# Altium PCB cyber60-smk.PcbDoc (part 2 of 4)
Units mm, origin at the board's own origin, x right, y up, seen from the top; angles counter-clockwise.
Board outline 284.73 x 94.2 mm, 2 copper layers (Component Side, Bottom Layer), stack 1.571 mm thick; 239 components, 148 nets, 988 pads, 591 vias.
Unrouted connection lines stored in the file: 6.
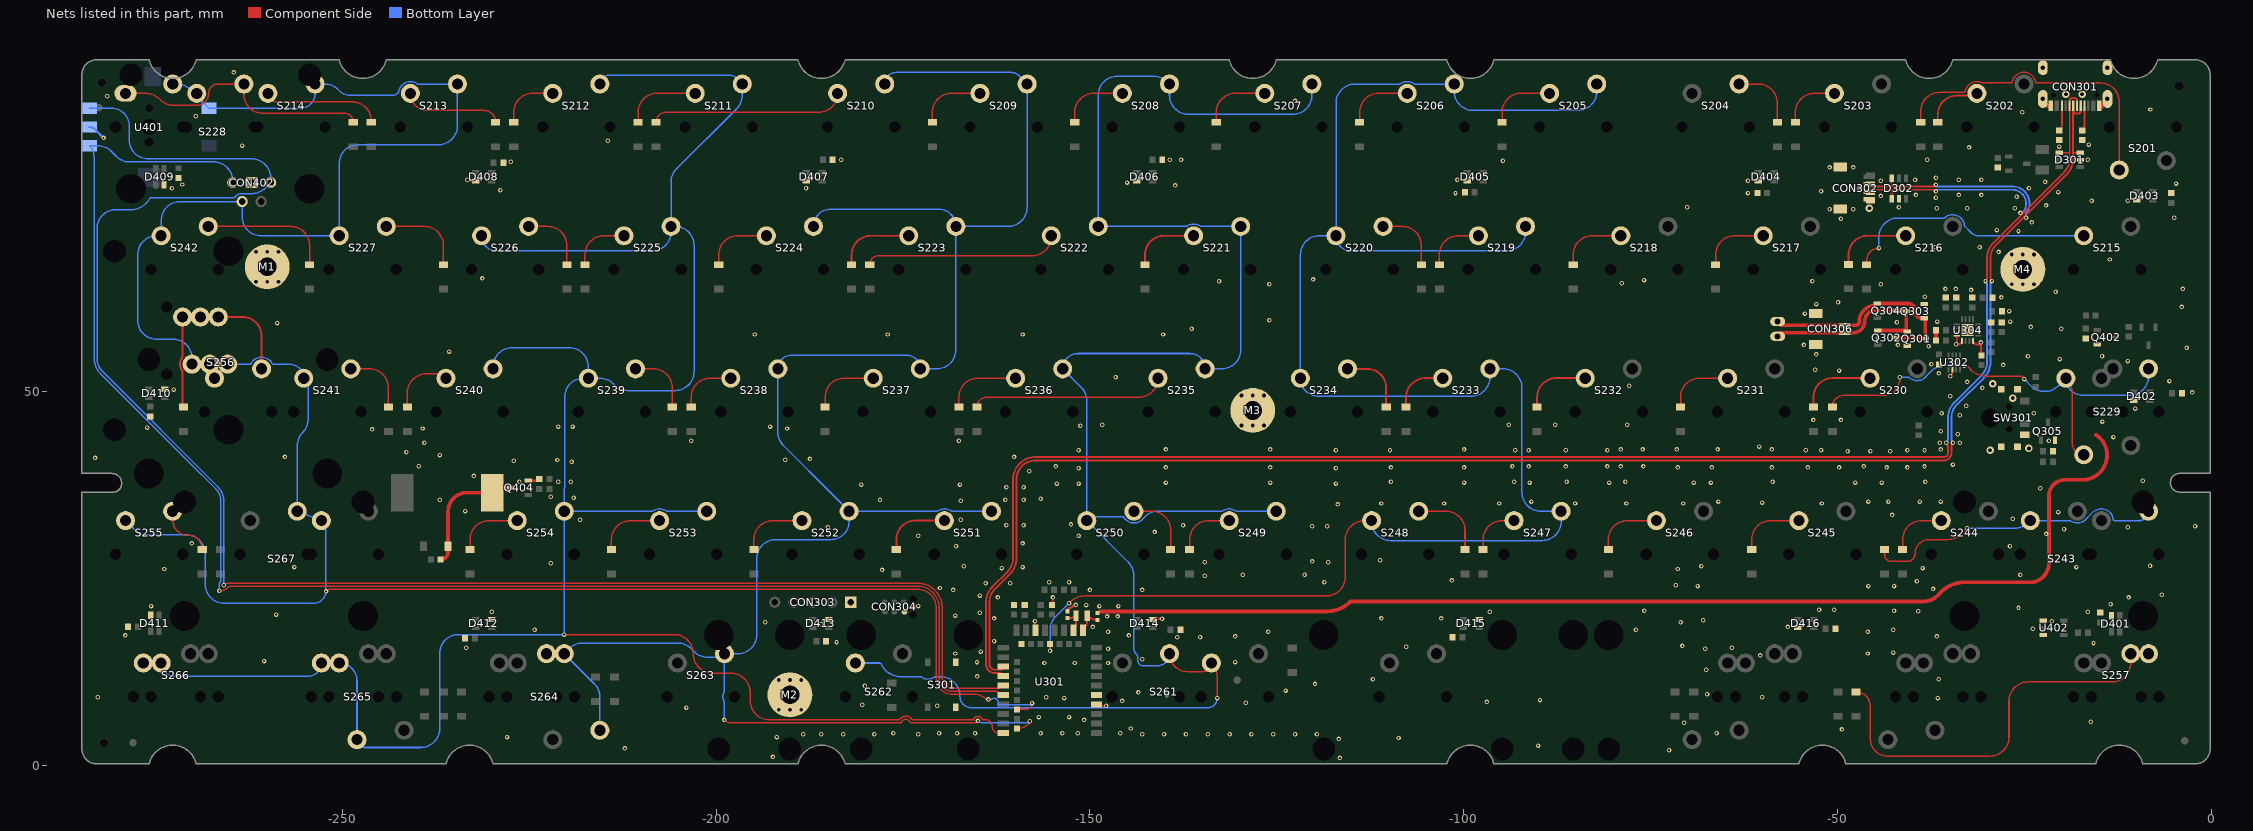
[diagram p2: the nets of this part, all layers, seen from the top]

## Via types
v1: diameter 0.6, hole 0.3, Component Side to Bottom Layer, tented both sides, 577 vias
v2: diameter 1, hole 0.5, Component Side to Bottom Layer, tented both sides, 9 vias
v3: diameter 1.5, hole 0.75, Component Side to Bottom Layer, tented both sides, 5 vias

## Nets (pads, with @x,y where several pads share a name; then routed paths per layer and width w, separated by ;. In a path a pad name is that pad's centre, name@x,y a point inside that pad or via, vN(x,y) a via of type N, cw(c..) or ccw(c..) an arc to the next point about the centre after c; other vN are vias at no path point) (continued)
col3: S205.2 S206.2 S219.2 S220.2 S233.2 S234.2 S247.2 S248.2 U301.18 | length 252.8
  Component Side w0.203: v1(-155.321,15.367) U301.18@-155.321,16.229 ; v1(-152.781,21.717) -152.553,21.945 cw(c-150.757,20.149) -150.757,22.689 -149.479,22.689 -118.364,22.689 ccw(c-118.364,25.229) -115.824,25.229 -115.824,30.225 cw(c-113.284,30.225) -113.284,32.765 S248.2@-112.312,32.765
  Bottom Layer w0.203: v1(-155.321,15.367) -155.321,18.125 cw(c-152.781,18.125) -154.577,19.921 v1(-152.781,21.717) ; S248.2@-112.312,32.765 -112.312,32.639 ccw(c-109.772,32.639) -109.772,30.099 -89.502,30.099 ccw(c-89.502,32.639) -86.962,32.639 S247.2@-86.962,34.015 -89.662,34.015 cw(c-89.662,36.555) -92.202,36.555 -92.202,50.525 ccw(c-94.742,50.525) -94.742,53.065 S233.2@-96.488,53.065 -96.488,51.943 cw(c-99.028,51.943) -99.028,49.403 -119.425,49.403 cw(c-119.425,51.815) S234.2@-121.837,51.815 -121.837,68.325 cw(c-119.297,68.325) -119.297,70.865 S220.2@-117.075,70.865 ; S219.2@-91.725,72.115 -91.725,71.374 cw(c-94.265,71.374) -94.265,68.834 -115.044,68.834 cw(c-115.044,70.865) S220.2@-117.075,70.865 ; S205.2@-82.2,91.165 -82.2,90.17 cw(c-84.74,90.17) -84.74,87.63 -98.71,87.63 cw(c-98.71,90.17) -101.25,90.17 S206.2@-101.25,91.165 -106.531,91.165 cw(c-106.531,91.368) -106.648,91.202 ccw(c-107.55,89.915) -108.452,91.202 cw(c-108.569,91.368) -108.569,91.165 -114.535,91.165 ccw(c-114.535,88.625) -117.075,88.625 S220.2@-117.075,70.865
col4: S207.2 S208.2 S221.2 S222.2 S235.2 S236.2 S249.2 S250.2 S261.1 S262.2 U301.4 | length 258.4
  Component Side w0.203: U301.4@-149.098,8.136 ccw(c-148.963,8.136) -148.963,8.001 v1(-147.828,8.001) ; S261.1@-139.35,14.965 ccw(c-136.957,14.965) -136.957,12.573 -134.885,12.573 ccw(c-134.885,13.715) S261.1@-133.743,13.715 -133.713,13.685 cw(c-135.509,11.889) -132.969,11.889 v1(-132.969,9.017)
  Bottom Layer w0.203: S262.2@-181.368,13.715 -178.114,13.715 cw(c-178.115,13.512) -177.93,13.597 ccw(c-175.251,14.815) -175.251,11.871 -172.644,11.871 cw(c-172.645,11.668) -172.523,11.831 ccw(c-171.674,12.954) -170.825,11.831 cw(c-170.703,11.668) -170.704,11.871 -169.926,11.871 cw(c-169.926,9.331) -167.386,9.331 -167.386,9.271 ccw(c-165.862,9.271) -165.862,7.747 -134.239,7.747 ccw(c-134.239,9.017) v1(-132.969,9.017) ; -144.145,15.748 -144.145,25.446 ccw(c-146.685,25.446) -144.889,27.242 S250.2@-150.412,32.765 ; -144.112,15.753 ccw(c-142.749,15.753) -143.712,14.789 cw(c-144.001,14.5) -143.593,14.5 -143.593,14.339 ccw(c-143.002,14.224) -143.592,14.106 ccw(c-142.821,14.106) -142.821,13.335 -140.98,13.335 ccw(c-140.98,14.965) S261.1@-139.35,14.965 ; -143.007,32.898 ccw(c-144.112,34.015) -142.995,32.91 ; S249.2@-125.062,34.015 -130.343,34.015 cw(c-130.343,34.218) -130.46,34.052 ccw(c-131.362,32.765) -132.264,34.052 cw(c-132.381,34.218) -132.381,34.015 -132.402,34.036 -140.817,34.036 ccw(c-140.817,31.496) -142.613,33.292 -142.995,32.91 ; S207.2@-120.3,91.165 -120.3,89.662 cw(c-122.84,89.662) -122.84,87.122 -136.81,87.122 cw(c-136.81,89.662) -139.35,89.662 S208.2@-139.35,91.165 -139.643,91.458 ccw(c-141.439,89.662) -141.439,92.202 -146.335,92.202 ccw(c-146.335,89.662) -148.875,89.662 S222.2@-148.875,72.115 -137.144,72.115 ccw(c-137.144,72.318) -137.027,72.152 cw(c-136.125,70.865) -135.223,72.152 ccw(c-135.106,72.318) -135.106,72.115 S221.2@-129.825,72.115 -129.825,55.605 cw(c-132.365,55.605) -132.365,53.065 S235.2@-134.588,53.065 ccw(c-136.64,53.065) -136.64,55.118 -151.585,55.118 ccw(c-151.585,53.065) S236.2@-153.638,53.065 -151.156,50.584 cw(c-152.952,48.788) -150.412,48.788 S250.2@-150.412,32.765 ; S250.2@-150.412,32.765 cw(c-149.903,32.765) -149.903,33.274 -145.498,33.274 ccw(c-144.112,34.015) -142.995,32.91
col5: S209.2 S210.2 S223.2 S224.2 S237.2 S238.2 S251.2 S252.2 S263.2 S264.1 U301.42 | length 275.1
  Component Side w0.203: v1(-198.881,6.096) -198.807,6.022 ccw(c-198.12,6.708) -198.12,5.737 -191.77,5.737 -175.349,5.737 ccw(c-175.349,5.94) -175.166,5.851 cw(c-174.625,5.588) -174.084,5.851 ccw(c-173.901,5.94) -173.901,5.737 v1@-165.1,5.737 ; U301.42@-159.748,4.961 ccw(c-159.748,7.39) -158.031,5.672 v1(-158.031,5.936)
  Bottom Layer w0.203: S264.1@-215.55,4.715 -215.55,9.15 ccw(c-218.09,9.15) -216.293,10.946 S264.1@-220.312,14.965 -219.638,15.639 cw(c-217.842,13.843) -217.842,16.383 -205.141,16.383 cw(c-205.141,13.843) -203.345,15.639 -202.928,15.222 ccw(c-201.132,17.018) -201.132,14.478 -199.256,14.478 cw(c-197.192,13.276) S263.2@-198.881,14.965 ; v1(-198.881,6.096) -198.881,8.389 ccw(c-199.084,8.388) -198.904,8.483 cw(c-197.531,9.215) -198.905,9.947 ccw(c-199.084,10.042) -198.881,10.041 S263.2@-198.881,14.965 ; S224.2@-186.975,72.115 cw(c-184.668,72.115) -184.668,74.422 -170.232,74.422 cw(c-170.232,72.115) S223.2@-167.925,72.115 ; S252.2@-181.597,34.015 -170.481,34.015 ccw(c-170.481,34.218) -170.364,34.052 cw(c-169.462,32.765) -168.56,34.052 ccw(c-168.443,34.218) -168.443,34.015 S251.2@-163.162,34.015 ; S210.2@-177.45,91.165 cw(c-175.905,91.165) -175.905,92.71 -160.549,92.71 cw(c-160.549,91.165) -159.004,91.165 S209.2@-158.4,91.165 -158.4,74.655 cw(c-160.94,74.655) -160.94,72.115 S223.2@-167.925,72.115 ; v1(-164.973,5.969) ccw(c-164.413,6.529) -164.413,5.737 -158.095,5.737 ccw(c-158.319,5.919) -158.031,5.919 v1(-158.031,5.936) ; S263.2@-198.881,14.965 -197.104,14.965 ccw(c-197.104,17.505) -194.564,17.505 -194.564,27.686 cw(c-192.024,27.686) -192.024,30.226 -184.658,30.226 ccw(c-184.658,32.672) -182.212,32.672 S252.2@-182.212,34.015 -184.277,36.08 -190.994,42.797 cw(c-189.198,44.593) -191.738,44.593 S238.2@-191.738,53.065 cw(c-189.939,53.065) -189.939,54.864 -174.486,54.864 cw(c-174.486,53.065) S237.2@-172.688,53.065 -170.465,53.065 ccw(c-170.465,55.605) -167.925,55.605 S223.2@-167.925,72.115
col6: S211.2 S212.2 S225.2 S226.2 S239.2 S240.2 S253.2 S254.2 S265.2 S266.2 U301.43 | length 325.2
  Component Side w0.203: v1@-220.091,17.526 -205.613,17.526 cw(c-205.613,14.986) -203.073,14.986 ccw(c-200.425,14.986) -201.977,12.84 ccw(c-200.425,14.986) -200.425,12.338 -197.993,12.338 cw(c-197.993,9.798) -195.453,9.798 -195.453,8.68 ccw(c-192.913,8.68) -192.913,6.14 -175.568,6.14 ccw(c-175.568,6.344) -175.409,6.216 cw(c-174.625,5.588) -173.841,6.216 ccw(c-173.682,6.344) -173.682,6.14 -165.55,6.14 cw(c-164.973,5.969) -164.396,6.14 -164.001,6.14 cw(c-164.001,5.207) -163.068,5.207 ccw(c-162.187,5.207) -162.187,4.326 U301.43@-161.598,4.326
  Bottom Layer w0.203: S266.2@-274.237,13.715 ccw(c-272.46,13.715) -272.46,11.938 -254.577,11.938 ccw(c-254.577,13.715) S265.2@-252.8,13.715 ; S265.2@-250.419,13.715 cw(c-250.419,11.334) -248.038,11.334 S265.2@-248.038,3.465 ccw(c-246.986,3.465) -246.986,2.413 -239.522,2.413 ccw(c-239.522,4.953) -236.982,4.953 -236.982,14.986 cw(c-234.442,14.986) -236.122,16.891 cw(c-234.442,14.986) -234.442,17.526 -227.457,17.526 -223.901,17.526 v1(-220.312,17.526) -220.312,18.06 S254.2@-220.312,34.015 -220.312,36.7 cw(c-217.772,36.7) -220.264,37.195 -220.264,49.275 cw(c-217.724,49.275) -217.724,51.815 S239.2@-217.087,51.815 ; S226.2@-231.375,70.865 ccw(c-229.344,70.865) -229.344,68.834 -208.565,68.834 ccw(c-208.565,71.374) -206.025,71.374 S225.2@-206.025,72.115 ; S240.2@-229.838,53.065 -229.838,53.34 cw(c-227.298,53.34) -227.298,55.88 -219.627,55.88 cw(c-219.627,53.34) -217.087,53.34 S239.2@-217.087,51.815 ; S254.2@-219.652,34.015 -208.581,34.015 ccw(c-208.581,34.218) -208.464,34.052 cw(c-207.562,32.765) -206.66,34.052 ccw(c-206.543,34.218) -206.543,34.015 S253.2@-201.262,34.015 ; S212.2@-215.55,91.165 cw(c-214.386,91.165) -214.386,92.329 -198.141,92.329 cw(c-198.141,91.165) -196.977,91.165 S211.2@-196.5,91.165 -196.5,89.667 cw(c-199.04,89.667) -197.244,87.871 -205.281,79.834 ccw(c-203.485,78.038) -206.025,78.038 S225.2@-206.025,72.115 ; S239.2@-217.087,51.815 -215.554,51.815 cw(c-215.554,49.275) -213.758,51.071 -213.596,50.909 ccw(c-211.8,52.705) -211.8,50.165 -205.486,50.165 ccw(c-205.486,52.705) -202.946,52.705 -202.946,69.575 ccw(c-205.486,69.575) -205.486,72.115 S225.2@-206.025,72.115
col7: CON401.2 S213.2 S214.2 S227.2 S228.1 S241.2 S242.2 S255.2 S256.2 S267.2 U301.38 U401.2 | length 323.5
  Component Side w0.203: v1(-252.17,23.293) -251.863,23.6 -174.625,23.6 -173.079,23.6 cw(c-173.079,21.463) -172.846,23.587 cw(c-173.101,21.038) -170.539,21.038 -170.539,13.44 -170.539,11.684 ccw(c-168.402,11.684) -170.082,10.364 -170.053,10.335 -170.053,10.327 ccw(c-168.402,11.684) -168.402,9.547 -165.617,9.547 cw(c-165.617,6.976) -165.307,9.528 -165.23,9.528 -165.218,9.516 cw(c-165.617,6.976) -164.188,9.114 cw(c-165.617,6.976) -163.798,8.793 -163.641,8.636 -163.398,8.636 cw(c-162.85,8.387) -163.385,8.661 v1(-163.57,8.846) ; U301.38@-159.748,7.501 -158.582,7.501 ccw(c-158.582,8.349) v1(-157.734,8.349)
  Bottom Layer w0.203: S255.2@-279,32.765 -277.84,31.605 ccw(c-276.044,33.401) -276.044,30.861 -270.891,30.861 cw(c-270.891,28.321) -268.351,28.321 -268.351,24.257 ccw(c-265.811,24.257) -265.811,21.717 -253.833,21.717 ccw(c-253.833,23.355) -252.195,23.355 S267.2@-252.195,33.345 ; S228.1@-272.694,91.165 -272.146,91.165 cw(c-272.146,88.625) -270.35,90.421 U401.2@-267.844,87.915 -255.651,87.915 ccw(c-255.651,89.916) -253.873,88.998 ccw(c-255.651,89.916) -253.67,89.633 ccw(c-255.651,89.916) -253.65,89.916 S214.2@-253.65,91.165 -252.364,91.165 cw(c-252.364,88.625) -250.568,90.421 -250.38,90.233 ccw(c-249.001,91.613) -249.001,89.662 -243.255,89.662 ccw(c-243.255,90.606) -242.494,90.049 ccw(c-242.656,90.17) -242.455,90.141 cw(c-240.9,89.915) -242.312,90.606 cw(c-240.9,89.915) -239.998,91.202 ccw(c-239.881,91.368) -239.881,91.165 S213.2@-234.6,91.165 -234.6,85.598 cw(c-237.14,85.598) -237.14,83.058 -247.885,83.058 ccw(c-247.885,80.518) -250.425,80.518 S227.2@-250.425,70.865 -260.858,70.865 cw(c-260.858,73.405) -263.398,73.405 CON401.2@-263.398,75.438 -271.697,75.438 ccw(c-271.697,72.898) -274.237,72.898 S242.2@-274.237,70.865 -274.828,70.865 ccw(c-274.828,68.325) -277.368,68.325 -277.368,59.563 ccw(c-274.828,59.563) -274.828,57.023 -272.651,57.023 cw(c-272.651,54.483) -270.111,54.483 S256.2@-270.111,53.695 ; S256.2@-265.349,53.695 -262.367,53.695 ccw(c-262.367,53.898) -262.188,53.803 cw(c-260.8,53.065) -259.412,53.803 ccw(c-259.233,53.898) -259.233,53.695 -257.042,53.695 cw(c-257.042,51.815) S241.2@-255.162,51.815 cw(c-256.578,50.399) -254.576,50.399 -254.576,46.324 cw(c-257.116,46.324) -254.582,46.141 cw(c-257.116,46.324) -255.32,44.527 ; S267.2@-256.03,33.401 S267.2@-256.03,34.015 ; -255.143,44.704 -255.286,44.561 ccw(c-253.49,42.765) -256.03,42.765 S267.2@-256.03,34.015 ; S267.2@-253.061,33.114 cw(c-252.466,32.52) S267.2@-252.466,33.361 ; S267.2@-252.805,32.765 S267.2@-256.03,34.015 ; v1(-163.57,8.846) -163.405,8.846 cw(c-163.405,8.636) -163.282,8.806 cw(c-162.85,8.387) -162.276,8.205 cw(c-162.85,8.387) -162.297,8.15 -157.734,8.15 v1(-157.734,8.349)
D_N: CON301.A7 CON301.B7 CON302.2 D301.3 D302.6 U301.29 | length 237
  Component Side w0.254: U301.29@-161.598,13.216 cw(c-162.004,13.216) -162.004,12.81 -162.687,12.81 cw(c-162.687,13.572) -163.449,13.572 -163.449,21.808 cw(c-160.909,21.808) -162.705,23.604 -160.694,25.615 ccw(c-162.811,27.732) -159.817,27.732 -159.817,38.278 cw(c-157.277,38.278) -157.277,40.818 -35.725,40.818 ccw(c-35.725,41.783) -34.76,41.783 -34.76,42.659 cw(c-34.023,42.659) v1(-34.544,43.18) ; CON302.2@-45.625,77.75 ccw(c-45.354,77.75) -45.354,77.479 -42.799,77.479 ; D302.6@-42.733,78.591 ccw(c-42.733,78.525) -42.799,78.525 -42.799,77.479 ; v1(-36.83,77.68) cw(c-37.031,77.68) -37.031,77.479 -42.799,77.479 ; v1(-29.342,64.813) cw(c-28.863,65.292) -29.54,65.292 -29.54,67.821 cw(c-27,67.821) -28.796,69.617 -19.348,79.065 ccw(c-21.466,81.182) -19.347,79.066 ccw(c-21.466,81.182) -18.471,81.182 -18.471,81.915 ; CON301.A7@-18.471,87.525 -18.471,81.915 ; CON301.A7@-18.427,87.525 ccw(c-18.1,87.525) -18.1,87.198 -17.8,87.198 ccw(c-17.8,87.525) -17.473,87.525 -17.473,88.144 cw(c-17.219,88.144) CON301.B7@-17.45,88.25 ; D301.3@-17.548,81.976 -18.324,81.976 ccw(c-18.324,81.768) -18.471,81.915
  Bottom Layer w0.254: v1(-36.83,77.68) ccw(c-36.629,77.68) -36.629,77.479 -26.602,77.479 cw(c-26.602,75.184) -24.308,75.184 cw(c-26.605,75.184) -24.775,73.795 cw(c-24.801,73.77) -24.765,73.77 v1(-24.765,73.279) ; v1(-34.544,43.18) cw(c-34.023,43.701) -34.76,43.701 -34.76,46.484 cw(c-32.22,46.484) -34.016,48.28 -30.392,51.904 ccw(c-32.509,54.021) -29.515,54.021 -29.515,64.395 cw(c-28.923,64.395) v1(-29.342,64.813)
D_P: CON301.A6 CON301.B6 CON302.3 D301.4 D302.1 U301.31 | length 238.1
  Component Side w0.254: U301.31@-161.598,11.946 ccw(c-162.004,11.946) -162.004,12.352 -162.687,12.352 cw(c-162.687,13.572) -163.906,13.572 -163.906,21.809 cw(c-160.912,21.809) -163.029,23.926 -161.018,25.938 ccw(c-162.814,27.734) -160.274,27.734 -160.274,38.278 cw(c-157.277,38.278) -157.277,41.275 -35.725,41.275 ccw(c-35.725,41.783) -35.217,41.783 -35.217,42.659 ccw(c-35.954,42.659) v1(-35.433,43.18) ; CON302.3@-45.625,76.75 cw(c-45.354,76.75) -45.354,77.021 -42.672,77.021 ; D302.1@-42.733,75.841 ccw(c-42.733,75.902) -42.672,75.902 -42.672,77.021 ; v1(-36.83,76.8) ccw(c-37.051,76.8) -37.051,77.021 -42.672,77.021 ; v1(-30.195,64.813) ccw(c-30.674,65.292) -29.997,65.292 -29.997,67.823 cw(c-27.003,67.823) -29.122,69.938 cw(c-27.003,67.823) -29.12,69.94 -19.673,79.387 ccw(c-21.469,81.184) -19.107,80.249 ccw(c-21.469,81.184) -19.02,80.51 ccw(c-21.469,81.184) -18.929,81.184 -18.929,81.915 ; D301.4@-20.298,81.976 -19.076,81.976 cw(c-19.076,81.768) -18.929,81.915 ; CON301.B6@-18.95,88 cw(c-19.002,87.948) -18.929,87.948 -18.929,81.915 ; CON301.B6@-18.95,88.25 ccw(c-19.181,88.356) -18.927,88.357 -18.927,88.975 cw(c-18.6,88.975) -18.6,89.302 -18.3,89.302 cw(c-18.3,88.975) -17.973,88.975 -17.973,88.356 ccw(c-17.719,88.356) CON301.A6@-17.95,88.25
  Bottom Layer w0.254: v1(-36.83,76.8) cw(c-36.609,76.8) -36.609,77.021 -26.602,77.021 cw(c-26.602,75.184) -24.765,75.184 cw(c-26.605,75.184) v1@-25.304,73.883 ; v1(-35.433,43.18) ccw(c-35.954,43.701) -35.217,43.701 -35.217,46.485 cw(c-32.223,46.485) -35.217,46.489 cw(c-32.223,46.485) -34.34,48.602 -30.716,52.227 ccw(c-32.512,54.023) -29.972,54.023 -29.972,64.274 ccw(c-30.735,64.274) v1(-30.195,64.813)
  other v1: -25.527,73.914
ENC_A: CON402.3 U301.35 U401.A | length 209.2
  Component Side w0.203: v1(-266.446,23.368) -266.227,23.368 ccw(c-266.227,24.426) -265.479,23.678 ccw(c-265.876,24.13) -265.446,23.709 cw(c-265.301,23.566) -265.435,23.719 cw(c-264.694,22.892) -264.694,24.003 -263.398,24.003 -175.26,24.003 ; -169.262,10.179 ccw(c-168.402,11.684) -168.703,9.977 ; U301.35@-161.598,9.406 ccw(c-162.912,8.092) -162.912,9.95 -168.402,9.95 ; -175.26,24.003 -173.079,24.003 ; -175.26,24.003 -173.079,24.003 ; -173.079,24.003 cw(c-173.079,21.463) -172.804,23.988 cw(c-173.101,21.038) -171.11,23.235 cw(c-173.101,21.038) -170.136,21.038 -170.136,11.684 ccw(c-168.402,11.684) -169.779,10.631 -169.769,10.621 cw(c-170.053,10.335) -169.709,10.545 ccw(c-168.402,11.684) -168.703,9.977 ; -168.703,9.977 ccw(c-168.402,11.684) -168.447,9.951 ; -168.447,9.951 ccw(c-168.402,11.684) -168.402,9.95 ; -168.447,9.951 ccw(c-168.402,11.684) -168.402,9.95
  Bottom Layer w0.203: U401.A@-283.843,82.914 cw(c-285.375,81.384) -283.21,81.384 -283.21,55.314 ; U401.A@-283.844,82.915 -282.716,82.915 cw(c-282.716,80.375) -280.92,82.171 -280.24,81.491 ccw(c-278.444,83.287) -278.444,80.747 -267.208,80.747 cw(c-267.208,78.207) -264.668,78.207 CON402.3@-264.668,77.978 ; -283.207,56.134 -283.207,54.494 ccw(c-280.264,54.494) -282.346,52.413 -282.339,52.407 -270.541,40.609 -266.908,36.976 cw(c-268.416,35.462) -266.279,35.462 -266.279,24.66 cw(c-266.482,24.659) -266.329,24.525 ccw(c-265.876,24.13) -266.454,23.963 cw(c-265.876,24.13) -266.463,24.261 ; -266.454,23.962 cw(c-266.649,23.906) -266.446,23.905 v1(-266.446,23.368)
ENC_B: CON402.1 U301.33 U401.B | length 227.9
  Component Side w0.203: v1(-265.876,24.13) cw(c-265.208,23.462) -265.208,24.406 -172.996,24.406 cw(c-172.996,23.622) -172.912,24.402 ccw(c-172.891,24.604) -172.905,24.401 cw(c-173.079,21.463) -172.762,24.389 cw(c-173.101,21.038) -171.185,23.808 cw(c-173.101,21.038) -169.732,21.038 -169.732,13.44 -169.732,11.684 ccw(c-168.402,11.684) -169.473,10.895 cw(c-170.053,10.335) -169.388,10.791 -169.295,10.698 ccw(c-168.402,11.684) -168.437,10.354 ; -168.436,10.354 ccw(c-168.402,11.684) -168.402,10.354 -162.376,10.354 ccw(c-162.376,11.454) U301.33@-161.598,10.676
  Bottom Layer w0.203: U401.B@-283.844,87.915 -280.828,87.915 cw(c-280.828,85.598) -278.511,85.598 -278.511,83.69 ccw(c-275.971,83.69) -275.971,81.15 -262.128,81.15 cw(c-262.128,78.61) -259.588,78.61 CON402.1@-259.588,77.978 -260.309,77.257 cw(c-262.105,79.053) -261.521,76.581 cw(c-262.105,79.053) -262.105,76.513 -263.333,76.513 ccw(c-263.406,75.299) -264.436,75.946 -275.608,75.946 ccw(c-275.609,75.743) -275.788,75.839 cw(c-278.257,77.16) -277.675,74.421 cw(c-278.257,77.16) -278.496,74.37 ; -278.497,74.37 ccw(c-278.513,74.167) -278.514,74.371 -280.267,74.371 ccw(c-280.267,71.831) -282.702,72.553 ccw(c-280.267,71.831) -282.807,71.831 -282.807,70.993 -282.804,70.99 -282.804,54.494 ccw(c-280.264,54.494) -282.06,52.698 -266.62,37.258 cw(c-268.416,35.462) -265.876,35.462 v1(-265.876,24.13)
GND: C301.1 C302.1 C303.1 C304.1 C305.1 C307.1 C308.1 C309.1 C310.1 C311.1 C312.1 C313.1 C401.1 C402.1 C403.1 C404.1 C405.1 C406.1 C407.1 C408.1 C409.1 C410.1 C411.1 C412.1 C413.1 C414.1 C415.1 C416.1 CON301.A1B12 CON301.B1A12 CON301.S1 CON302.4 CON302.5 CON303.1 CON304.5 CON306.3 CON402.2 D301.2 D302.2 D401.3 D402.3 D403.3 D404.3 D405.3 D406.3 D407.3 D408.3 D409.3 D410.3 D411.3 D412.3 D413.3 D414.3 D415.3 D416.3 M1.1 M2.1 M3.1 M4.1 Q301.2 Q303.2 Q305.2 Q402.2 Q404.2 R301.2 R302.2 R306.2 R307.2 R308.2 R310.2 R313.2 R315.2 R403.2 R407.2 S301.1 SW301.3 SW301.M U301.5 U301.21 U301.24 U302.6 U304.4 U304.5 U304.8 U304.17 U401.C U402.1 U402.3 | length 175.5
  Component Side w0.203: CON304.5@-174.799,20.574 -174.781,20.592 cw(c-172.985,18.796) -172.985,21.336 v1(-172.974,21.336) ; U301.21@-157.353,18.442 v1(-157.353,19.304) ; C305.1@-154.94,21.617 v1(-154.94,22.479)
  Component Side w0.254: v1(-34.925,52.07) ccw(c-35.652,52.797) -34.624,52.797 U302.6@-34.624,52.986 ; U304.4@-34.046,57.499 -34.046,56.523 cw(c-34.299,56.523) v1(-34.12,56.344) -33.801,56.344 ccw(c-33.801,56.799) U304.5@-33.346,56.799 ; U304.8@-31.846,56.799 ccw(c-31.391,56.799) -31.391,56.344 -31.072,56.344 ccw(c-31.072,56.598) v1(-30.818,56.598) -30.803,56.598 -30.803,55.328
  Component Side w0.3: Q404.2@-225.145,38.11 -224.18,38.11 ccw(c-224.18,38.82) R407.2@-223.678,38.318 ; C304.1@-153.011,20.643 cw(c-152.318,20.643) -152.862,21.072 ccw(c-152.781,21.717) -152.254,21.336 -152.1,21.49 v1(-151.903,21.49)
  Component Side w0.305: v1(-233.299,78.359) ccw(c-232.915,78.743) -232.915,78.2 D408.3@-232.148,78.2 ; D414.3@-141.585,19.55 cw(c-141.381,19.346) -141.381,19.634 v1(-140.342,19.634)
  Component Side w0.5: C312.1@-36.802,56.852 C313.1@-36.802,58.249
  Component Side w0.508: -148.581,20.619 -118.364,20.619 ccw(c-118.364,25.229) -115.259,21.821 cw(c-114.917,21.446) -114.915,21.954 -38.454,21.954 ccw(c-38.454,24.494) -36.661,22.694 ccw(c-38.454,24.494) -36.658,22.698 -36.267,23.088 ccw(c-36.626,23.447) -36.257,23.098 cw(c-32.994,20.01) -34.502,24.242 ; -35.416,23.794 cw(c-32.943,19.931) -33.202,24.51 cw(c-32.943,19.931) -33.187,24.511 -28.321,24.511 -24.257,24.511 ccw(c-24.257,27.051) -21.717,27.051 -21.717,36.057 cw(c-19.558,36.057) -19.558,38.216 -17.145,38.216 ccw(c-17.145,40.756) -16.41,38.325 ccw(c-17.252,41.533) -13.95,41.216 ccw(c-17.062,41.565) -13.931,41.5 ; CON301.S1@-22.52,88.915 -21.715,88.11 ccw(c-21.45,88.374) CON301.B1A12@-21.45,88 ; -15.418,44.221 cw(c-17.062,41.565) -14.742,43.657 cw(c-15.784,42.716) -14.739,43.653 cw(c-17.062,41.565) -13.941,41.7 cw(c-15.339,41.528) -13.931,41.505 cw(c-14.635,41.516) -13.931,41.503 ; CON301.A1B12@-14.95,88 ccw(c-14.95,88.374) -14.685,88.11 CON301.S1@-13.88,88.915
  Bottom Layer w0.3: U401.C@-283.844,85.415 cw(c-283.844,84.362) -283.1,85.107 v1(-281.94,83.947)
  other v1: -116.586,1.016 -192.405,1.143 -72.517,2.032 -212.217,2.286 -90.043,2.667 -116.713,3.556 -108.712,3.683 -227.971,3.809 -191.897,3.81 -188.341,4.191 -185.928,4.191 -183.007,4.191 -178.816,4.191 -172.974,4.191 -143.002,4.191 -140.081,4.191 -137.16,4.191 -134.239,4.191 -131.318,4.191 -128.397,4.191 -125.476,4.191 -122.555,4.191 -119.634,4.191 -176.276,4.318 -170.18,4.318 -167.767,4.318 -151.638,4.318 -145.923,4.318 -66.167,4.318 -165.354,4.333 -156.591,4.333 -153.67,4.333 -49.403,4.826 -144.526,4.953 -70.485,5.715 -16.129,5.842 -150.749,6.096 -156.845,6.477 -152.781,6.477 -203.962,7.747 -170.434,8.001 -180.467,8.128 -129.159,8.382 -96.901,8.509 -145.669,8.636 -89.789,8.763 -153.416,9.017 -36.576,9.017 -282.708,9.143 -155.829,9.144 -60.071,9.144 -139.7,9.398 -67.437,9.525 -143.51,9.779 -123.825,10.033 -180.086,10.668 -119.888,10.922 -112.141,11.557 -36.449,11.557 -165.081,11.916 -67.564,12.827 -156.083,13.716 -152.019,13.716 -147.574,13.716 -165.1,13.843 -130.556,13.843 -260.477,13.97 -143.002,14.224 -60.325,14.732 -168.021,14.986 -45.974,14.986 -42.545,15.113 -164.592,15.24 -147.574,15.621 -67.691,15.621 -233.426,15.748 -64.135,15.748 -107.696,15.875 -70.739,16.002 -15.748,16.383 -183.896,16.51 -162.814,16.637 -138.303,17.145 -135.255,17.145 -130.556,17.272 -36.703,17.272 -279.019,17.399 -144.78,17.399 -147.574,17.907 -126.111,17.907 -45.974,17.907 -224.282,18.161 -76.962,18.161 -42.545,18.161 -23.876,18.288 -149.606,18.542 -56.642,18.542 -185.928,18.923 -193.421,19.177 -70.993,19.177 -21.336,19.304 -67.945,19.431 -162.814,19.685 -110.998,19.685 -102.997,19.685 -147.701,19.939 -146.304,19.939 -168.021,20.066 -258.826,20.193 -164.719,20.447 -229.997,20.574 -96.52,20.574 -16.51,20.574 -39.204,20.643 -75.819,20.701 -42.418,20.701 -52.451,20.828 -50.419,20.828 -25.781,21.082 -275.59,21.336 -148.717,21.336 -146.177,21.336 -150.495,21.463 -13.462,21.59 -162.306,22.479 -11.049,22.479 -164.719,22.733 -6.604,22.86 -168.275,23.495 -149.987,23.495 -143.002,23.495 -37.211,23.622 -170.053,23.749 -68.707,24.003 -45.847,24.003 -42.418,24.003 -71.628,24.13 -163.957,24.384 -160.655,24.384 -155.448,24.511 -152.781,24.511 -118.618,24.511 -39.37,24.638 -101.6,24.765 -134.62,25.4 -129.54,25.527 -121.285,25.527 -25.527,25.527 -177.8,26.162 -273.812,26.289 -71.374,26.289 -161.798,26.416 -38.608,26.416 -256.413,26.543 -159.004,26.543 -18.034,26.543 -166.878,26.67 -68.199,26.67 -8.176,26.721 -222.123,27.051 -134.62,27.178 -118.11,27.178 -120.269,27.305 -111.148,27.454 -167.894,29.337 -26.924,29.337 -270.129,29.718 -159.004,29.718 -172.974,30.734 -151.511,30.734 -22.098,30.988 -141.351,31.242 -19.685,31.623 -185.039,31.877 -11.176,31.877 -120.269,32.004 -118.237,32.004 -2.159,32.004 -161.163,32.131 -158.877,32.131 -137.541,32.131 -152.527,32.258 -218.186,32.893 -167.259,32.893 -26.543,33.02 -42.672,33.528 -20.447,33.909 -233.553,34.036 -116.84,34.925 -110.998,35.052 -102.616,35.052 -95.25,35.052 -85.09,35.052 -78.232,35.052 -70.612,35.052 -52.07,35.052 -60.071,35.179 -90.932,35.306 -65.913,35.306 -45.847,35.306 -43.18,35.306 -38.989,35.306 -36.195,35.306 -167.259,35.433 -236.967,35.56 -178.076,35.543 -161.29,35.56 -158.877,35.56 -156.591,35.687 -219.075,35.814 -222.123,35.941 -22.86,37.084 -161.163,37.211 -158.877,37.211 -180.594,37.592 -167.386,37.592 -154.432,37.719 -151.511,37.719 -117.094,37.719 -139.827,37.846 -125.857,37.846 -99.949,37.846 -91.186,37.846 -80.518,37.846 -69.215,37.846 -66.929,37.846 -47.625,37.846 -44.069,37.846 -226.314,37.973 -221.107,37.973 -219.456,37.973 -109.728,37.973 -93.218,37.973 -86.233,37.973 -78.359,37.973 -58.674,37.973 -38.227,37.973 -9.144,38.1 -232.41,38.735 -158.115,39.37 -151.511,39.751 -117.094,39.751 -139.827,39.878 -125.857,39.878 -109.728,39.878 -99.949,39.878 -71.374,39.878 -66.802,39.878 -58.801,39.878 -53.975,39.878 -49.784,39.878 -43.434,39.878 -40.64,39.878 -154.559,40.005 -93.472,40.005 -91.313,40.005 -86.36,40.005 -80.772,40.005 -78.994,40.005 -75.946,40.005 -46.482,40.005 -38.354,40.005 -239.779,40.045 -34.544,40.259 -219.329,40.64 -227.076,40.767 -221.231,40.871 -190.754,40.894 -187.452,41.021 -283.083,41.148 -257.683,41.275 -160.147,41.275 -236.982,41.529 -241.427,41.91 -48.641,42.037 -45.593,42.037 -42.926,42.037 -151.511,42.164 -117.094,42.164 -109.855,42.164 -93.091,42.164 -91.313,42.164 -86.36,42.164 -80.772,42.164 -54.229,42.164 -52.197,42.164 -40.64,42.164 -38.354,42.164 -139.827,42.291 -125.857,42.291 -99.949,42.291 -78.994,42.291 -76.073,42.291 -71.501,42.291 -66.04,42.291 -58.801,42.291 -36.195,42.291 -60.452,42.672 -239.014,43.18 -36.322,43.18 -33.655,43.18 -203.327,43.434 -167.513,43.434 -21.717,43.434 -13.081,43.942 -33.909,44.323 -36.195,44.704 -245.999,44.958 -239.268,45.085 -190.5,45.085 -276.098,45.212 -221.107,45.339 -219.202,45.339 -192.786,45.339 -151.257,45.466 -148.336,45.593 -93.98,45.593 -87.757,45.593 -78.105,45.593 -14.546,46.01 -53.213,46.228 -49.53,46.228 -33.655,46.863 -36.068,47.117 -23.749,47.117 -10.16,47.752 -32.766,48.133 -34.925,49.403 -2.54,49.911 -272.542,50.292 -30.607,50.546 -77.851,50.8 -32.639,51.308 -5.588,51.435 -146.558,51.943 -36.449,52.451 -49.784,52.832 -52.959,52.959 -27.813,53.594 -37.422,53.677 -11.176,54.102 -20.275,54.366 -24.511,54.737 -14.605,54.737 -52.832,54.991 -235.712,55.372 -3.302,55.88 -37.803,56.09 -54.483,56.261 -41.91,56.261 -44.577,57.15 -194.818,57.658 -177.038,57.658 -159.004,57.658 -140.208,57.658 -32.596,58.249 -136.398,58.42 -20.066,58.42 -24.13,58.674 -258.699,59.182 -42.037,59.309 -36.66,59.392 -26.881,59.392 -125.984,59.563 -54.356,60.452 -27.008,60.789 -3.937,61.341 -52.832,61.722 -49.911,61.976 -28.067,62.611 -38.311,62.694 -20.828,63.373 -32.131,63.627 -35.56,63.754 -34.163,63.754 -3.81,63.754 -125.984,64.389 -44.196,64.389 -78.867,64.516 -132.715,64.77 -53.34,64.77 -75.871,64.946 -120.142,65.024 -231.267,65.151 -13.589,67.691 -28.448,68.707 -36.957,69.342 -30.988,69.342 -25.781,71.501 -28.702,71.628 -24.003,72.644 -49.53,73.152 -4.953,73.279 -51.054,74.422 -47.879,74.422 -36.703,74.549 -32.639,74.549 -26.289,74.549 -70.104,74.676 -41.783,74.676 -22.098,74.93 -16.002,75.565 -11.176,75.565 -36.83,75.946 -26.035,76.073 -44.196,76.2 -39.497,76.327 -33.782,76.327 -30.734,76.327 -101.092,76.581 -61.976,76.581 -20.447,76.708 -52.197,76.835 -228.854,76.962 -272.796,77.216 -187.96,77.216 -47.117,77.216 -24.384,77.216 -138.572,77.597 -271.399,77.724 -4.699,77.851 -145.034,77.978 -22.225,78.105 -61.976,78.232 -44.196,78.232 -100.838,78.359 -39.624,78.359 -33.782,78.359 -30.734,78.359 -36.83,78.613 -51.054,80.01 -47.879,80.01 -227.457,80.772 -94.742,80.899 -183.261,81.026 -139.319,81.026 -137.795,81.026 -37.973,81.026 -16.51,81.026 -32.385,82.677 -20.32,82.804 -263.398,82.931 -16.383,83.058 -214.503,83.566 -269.621,86.868 -25.273,87.376 -8.128,87.757 -122.555,88.9 -281.432,89.535 -264.541,92.71
  other v2: -29.591,42.164 -24.384,42.418 -26.543,49.149 -29.21,51.054 -45.72,74.549 -19.431,89.789 -17.272,89.789
NetBZ401_2: BZ401.2 D417.1 Q404.3 R405.2 | length 17.1
  Component Side w0.5: R405.2@-236.84,27.559 ccw(c-236.84,28.544) -235.855,28.544 D417.1@-235.855,29.337 -235.855,33.96 cw(c-233.315,33.96) -233.315,36.5 BZ401.2@-229.966,36.5 cw(c-229.306,36.5) -229.306,37.16 Q404.3@-227.545,37.16
NetC303_2: C303.2 U301.11 X301.1 | length 3.7
  Component Side w0.254: U301.11@-150.908,18.106 ccw(c-152.212,19.41) -150.368,19.41 X301.1@-150.368,20.066 ccw(c-148.975,21.459) -148.975,19.489 C303.2@-148.971,19.489
NetC304_2: C304.2 U301.13 X301.2 | length 3.3
  Component Side w0.254: C304.2@-153.011,19.743 -152.648,19.743 ccw(c-152.648,20.846) X301.2@-151.868,20.066 -151.868,18.854 cw(c-152.926,18.854) U301.13@-152.178,18.106
NetCON301_A5: CON301.A5 R302.1 | length 3.4
  Component Side w0.254: R302.1@-17.272,84.978 ccw(c-18.049,85.755) -16.95,85.755 -16.95,85.965 ccw(c-17.204,85.966) -16.955,86.017 cw(c-15.9,86.233) -16.955,86.449 ccw(c-17.204,86.5) -16.95,86.501 CON301.A5@-16.95,88.25
NetCON301_B5: CON301.B5 R301.1 | length 3.4
  Component Side w0.254: R301.1@-20.32,84.978 ccw(c-21.213,85.871) -19.95,85.871 CON301.B5@-19.95,88.25
NetCON305_1: CON305.1 CON306.1 Q301.3 Q302.3 Q303.1 Q304.1 | length 29.6
  Component Side w0.5: CON305.1@-58,59.404 ccw(c-57.492,59.404) -57.492,58.896 CON306.1@-49,58.896 -47.556,58.896 ccw(c-47.557,59.396) -47.061,59.335 ccw(c-47.895,59.436) -47.055,59.436 cw(c-44.936,59.436) -45.129,61.546 ccw(c-45.177,62.044) -44.95,61.599 -44.911,61.78 Q304.1@-44.661,61.805 -40.564,61.805 cw(c-40.564,60.822) -39.581,60.822 -39.581,60.728 ccw(c-38.692,60.728) -38.692,59.839 Q303.1@-38.381,59.839 -38.254,59.839 Q301.3@-38.254,57.233 ; Q302.3@-42.191,57.233 Q301.3@-38.254,57.233 ; Q301.3@-38.254,57.106 Q301.3@-38.254,57.233
NetCON305_2: CON305.2 CON306.2 Q301.1 Q302.1 Q303.3 Q304.3 | length 25.9
  Component Side w0.5: CON305.2@-58,57.404 cw(c-57.508,57.404) -57.508,57.896 CON306.2@-49,57.896 -47.895,57.896 ccw(c-47.895,59.436) -46.355,59.436 cw(c-44.936,59.436) -44.936,60.855 Q304.3@-42.261,60.855 -40.781,60.855 Q303.3@-40.781,60.789 Q301.1@-40.781,58.183 ; Q302.1@-44.591,58.183 Q301.1@-40.781,58.183 ; Q301.1@-40.654,58.056 -40.781,58.056 Q301.1@-40.781,58.183
NetD201_1: D201.1 S201.1 | length 42
  Component Side w0.203: D201.1@-38.862,86.05 -38.862,87.503 cw(c-36.322,87.503) -36.322,90.043 -33.094,90.043 ccw(c-33.094,90.246) -32.894,90.208 cw(c-31.35,89.915) -32.847,90.394 cw(c-31.35,89.915) -32.029,91.332 cw(c-31.35,89.915) -30.805,91.389 ; -30.672,91.333 ccw(c-30.584,91.516) -30.584,91.313 -26.79,91.313 ccw(c-26.79,91.516) -26.591,91.476 cw(c-25.05,91.165) -23.509,91.476 ccw(c-23.31,91.516) -23.31,91.313 -22.479,91.313 -14.84,91.313 cw(c-14.84,88.773) -12.3,88.773 S201.1@-12.3,79.665
NetD202_1: D202.1 S202.1 | length 7.9
  Component Side w0.254: D202.1@-36.576,86.05 -36.576,87.074 cw(c-34.036,87.074) -34.036,89.614 -31.651,89.614 ccw(c-31.651,89.915) S202.1@-31.35,89.915
NetD203_1: D203.1 S203.1 | length 8
  Component Side w0.203: D203.1@-55.626,86.05 -55.626,87.375 cw(c-53.086,87.375) -53.086,89.915 S203.1@-50.4,89.915
NetD204_1: D204.1 S204.1 | length 9.1
  Component Side w0.203: S204.1@-63.15,91.165 -60.579,91.165 cw(c-60.579,88.625) -58.039,88.625 D204.1@-58.039,86.05
NetD205_1: D205.1 S205.1 | length 9.1
  Component Side w0.203: D205.1@-94.869,86.05 -94.869,87.375 cw(c-92.329,87.375) -92.329,89.915 S205.1@-88.5,89.915
NetD206_1: D206.1 S206.1 | length 9.1
  Component Side w0.203: D206.1@-113.919,86.05 -113.919,87.375 cw(c-111.379,87.375) -111.379,89.915 S206.1@-107.55,89.915
NetD207_1: D207.1 S207.1 | length 9.3
  Component Side w0.203: D207.1@-133.096,86.05 -133.096,87.375 cw(c-130.556,87.375) -130.556,89.915 S207.1@-126.6,89.915
NetD208_1: D208.1 S208.1 | length 9.7
  Component Side w0.203: D208.1@-152.019,86.05 -152.019,87.375 ; -152.019,87.955 -152.019,87.375 ; S208.1@-145.65,89.915 -149.479,89.915 ccw(c-149.479,87.375) -152.019,87.375
NetD209_1: D209.1 S209.1 | length 9.1
  Component Side w0.203: D209.1@-171.069,86.05 -171.069,87.375 cw(c-168.529,87.375) -168.529,89.915 S209.1@-164.7,89.915
NetD210_1: D210.1 S210.1 | length 26.5
  Component Side w0.203: D210.1@-208.026,86.05 cw(c-206.7,86.05) -206.7,87.376 -186.289,87.376 ccw(c-186.289,89.915) S210.1@-183.75,89.915
NetD211_1: D211.1 S211.1 | length 10.5
  Component Side w0.203: D211.1@-210.439,85.963 D211.1@-210.439,86.05 -210.439,87.375 cw(c-207.899,87.375) -207.899,89.915 S211.1@-202.8,89.915
NetD212_1: D212.1 S212.1 | length 8
  Component Side w0.203: D212.1@-227.076,86.05 -227.076,87.375 cw(c-224.536,87.375) -224.536,89.915 S212.1@-221.85,89.915
NetD213_1: D213.1 S213.1 | length 13.6
  Component Side w0.203: S213.1@-240.9,89.915 ccw(c-238.615,89.915) -238.615,87.63 -231.069,87.63 cw(c-231.069,86.05) D213.1@-229.489,86.05
NetD214_1: D214.1 S214.1 | length 16.1
  Component Side w0.203: S214.1@-259.95,89.915 ccw(c-258.808,89.915) -258.808,88.773 -248.666,88.773 cw(c-248.666,86.233) -246.126,86.233 D214.1@-246.126,86.05
NetD215_1: D215.1 S215.1 | length 34.9
  Component Side w0.203: D215.1@-46.101,67 -46.101,67.564 cw(c-44.45,67.564) v1(-44.45,69.215)
  Bottom Layer w0.203: v1(-44.45,69.215) -44.45,70.697 cw(c-41.91,70.697) -41.91,73.237 -39.624,73.237 -36.487,73.237 -35.756,73.237 ccw(c-35.756,73.44) -35.62,73.289 cw(c-34.575,72.115) -33.008,72.241 ccw(c-32.806,72.257) -32.95,72.114 -32.174,71.338 ccw(c-31.168,72.171) -31.168,70.865 S215.1@-17.062,70.865
NetD216_1: D216.1 S216.1 | length 10.4
  Component Side w0.254: D216.1@-48.514,67.04 -48.514,68.325 cw(c-45.974,68.325) -45.974,70.865 S216.1@-40.875,70.865
NetD217_1: D217.1 S217.1 | length 9.1
  Component Side w0.203: D217.1@-66.294,67 -66.294,68.325 cw(c-63.754,68.325) -63.754,70.865 S217.1@-59.925,70.865
NetD218_1: D218.1 S218.1 | length 9.1
  Component Side w0.203: D218.1@-85.344,67 -85.344,68.325 cw(c-82.804,68.325) -82.804,70.865 S218.1@-78.975,70.865
NetD219_1: D219.1 S219.1 | length 8
  Component Side w0.203: D219.1@-103.251,67 -103.251,68.325 cw(c-100.711,68.325) -100.711,70.865 S219.1@-98.025,70.865
NetD220_1: D220.1 S220.1 | length 9.1
  Component Side w0.203: S220.1@-110.775,72.115 -108.204,72.115 cw(c-108.204,69.575) -105.664,69.575 D220.1@-105.664,67
NetD221_1: D221.1 S221.1 | length 9.3
  Component Side w0.254: D221.1@-142.621,67 -142.621,68.325 cw(c-140.081,68.325) -140.081,70.865 S221.1@-136.125,70.865
NetD222_1: D222.1 S222.1 | length 26.5
  Component Side w0.203: D222.1@-179.451,67 cw(c-178.252,67) -178.252,68.199 -157.715,68.199 ccw(c-157.715,70.739) -155.438,69.614 ccw(c-157.715,70.739) -155.175,70.739 S222.1@-155.175,70.865
NetD223_1: D223.1 S223.1 | length 10.4
  Component Side w0.254: D223.1@-181.864,67 -181.864,68.325 cw(c-179.324,68.325) -179.324,70.865 S223.1@-174.225,70.865
NetD224_1: D224.1 S224.1 | length 9.1
  Component Side w0.203: D224.1@-199.644,67 -199.644,68.325 cw(c-197.104,68.325) -197.104,70.865 S224.1@-193.275,70.865
NetD225_1: D225.1 S225.1 | length 8
  Component Side w0.203: D225.1@-217.551,67 -217.551,68.325 cw(c-215.011,68.325) -215.011,70.865 S225.1@-212.325,70.865
NetD226_1: D226.1 S226.1 | length 9.1
  Component Side w0.203: S226.1@-225.075,72.115 -222.504,72.115 cw(c-222.504,69.575) -219.964,69.575 D226.1@-219.964,67
NetD227_1: D227.1 S227.1 | length 11.7
  Component Side w0.203: S227.1@-244.125,72.115 -239.014,72.115 cw(c-239.014,69.575) -236.474,69.575 D227.1@-236.474,67
NetD228_1: D228.1 S228.2 | length 36
  Component Side w0.203: S228.2@-278.994,89.915 -276.26,89.915 cw(c-276.26,87.375) -274.464,89.171 -274.32,89.027 ccw(c-272.67,90.677) -272.67,88.343 -269.469,88.343 ccw(c-269.469,89.915) -267.91,89.717 ccw(c-269.469,89.915) -267.897,89.915 cw(c-266.647,89.915) -267.866,90.194 cw(c-266.647,89.915) -266.647,91.165 S228.2@-263.169,91.165 -263.169,89.789 ccw(c-260.629,89.789) -260.629,87.249 -249.738,87.249 cw(c-249.738,86.05) D228.1@-248.539,86.05
NetD229_1: D229.1 S229.1 | length 64
  Component Side w0.203: D229.1@-50.673,47.95 cw(c-49.093,47.95) -49.093,49.53 -43.815,49.53 ccw(c-43.815,51.689) -41.656,51.689 v1(-41.656,51.943) ; v1(-33.006,53.469) -33.006,53.467 -32.633,53.467 ccw(c-29.944,55.328) -32.026,52.806 ccw(c-29.944,55.328) -30.899,52.2 ccw(c-29.944,55.328) -30.465,52.099 ccw(c-30.395,52.522) -30.461,52.099 ccw(c-29.944,55.328) -29.944,52.058 -25.388,52.058 cw(c-25.388,51.689) v1(-25.019,51.689) ; S229.1@-19.444,51.815 -19.33,51.701 cw(c-21.126,49.905) -18.586,49.905 -18.586,43.088 ccw(c-17.062,43.088) S229.1@-17.062,41.565 cw(c-17.062,42.156) S229.1@-17.653,42.156
  Bottom Layer w0.203: v1(-41.656,51.943) -40.519,51.943 cw(c-40.518,51.74) -40.383,51.892 ccw(c-39.338,53.065) -38.887,51.559 ccw(c-39.338,53.065) -38.041,52.177 ; -38.464,51.758 ccw(c-39.338,53.065) -38.041,52.177 ; v1(-33.006,53.469) -33.018,53.469 -33.02,53.467 ccw(c-33.076,53.467) -33.076,53.523 -35.648,53.523 ccw(c-35.648,50.983) -37.444,52.779 -38.017,52.206 ccw(c-37.873,52.062) -38.04,52.178 ccw(c-37.873,52.062) -38.041,52.177 ; v1(-25.019,51.689) -24.112,50.782 ccw(c-22.316,52.578) -22.316,50.038 -22.225,50.038 ccw(c-22.225,52.462) -20.511,50.748 S229.1@-19.444,51.815 ccw(c-17.159,51.815) -17.159,49.53 -10.921,49.53 ccw(c-10.921,52.07) -8.381,52.07 S229.1@-8.381,53.065
NetD230_1: D230.1 S230.1 | length 10.4
  Component Side w0.254: D230.1@-53.213,47.95 -53.213,49.275 cw(c-50.673,49.275) -50.673,51.815 S230.1@-45.637,51.815
NetD231_1: D231.1 S231.1 | length 9.1
  Component Side w0.203: D231.1@-70.993,47.95 -70.993,49.275 cw(c-68.453,49.275) -68.453,51.815 S231.1@-64.687,51.815
NetD232_1: D232.1 S232.1 | length 9.2
  Component Side w0.254: D232.1@-90.17,47.95 -90.17,49.275 cw(c-87.63,49.275) -87.63,51.815 S232.1@-83.737,51.815
NetD233_1: D233.1 S233.1 | length 7.7
  Component Side w0.254: D233.1@-107.696,47.95 -107.696,49.275 cw(c-105.156,49.275) -105.156,51.815 S233.1@-102.787,51.815
NetD234_1: D234.1 S234.1 | length 9.2
  Component Side w0.254: S234.1@-115.538,53.065 -112.903,53.065 cw(c-112.903,50.525) -110.363,50.525 D234.1@-110.363,47.95
NetD235_1: D235.1 S235.1 | length 26.5
  Component Side w0.203: D235.1@-165.1,48.006 D235.1@-165.1,47.95 cw(c-163.774,47.95) -163.774,49.276 -143.427,49.276 ccw(c-143.427,51.815) -141.206,50.584 ccw(c-143.427,51.815) S235.1@-140.887,51.815
NetD236_1: D236.1 S236.1 | length 10.4
  Component Side w0.203: D236.1@-167.513,47.95 -167.513,49.275 cw(c-164.973,49.275) -164.973,51.815 S236.1@-159.937,51.815
NetD237_1: D237.1 S237.1 | length 9.2
  Component Side w0.203: D237.1@-185.42,47.95 -185.42,49.275 cw(c-182.88,49.275) -182.88,51.815 S237.1@-178.987,51.815
NetD238_1: D238.1 S238.1 | length 8.1
  Component Side w0.203: D238.1@-203.327,47.95 -203.327,49.275 cw(c-200.787,49.275) -200.787,51.815 S238.1@-198.037,51.815
NetD239_1: D239.1 S239.1 | length 8.9
  Component Side w0.203: S239.1@-210.788,53.065 -208.407,53.065 cw(c-208.407,50.525) -205.867,50.525 D239.1@-205.867,47.95
NetD240_1: D240.1 S240.1 | length 9.1
  Component Side w0.203: D240.1@-241.3,47.95 -241.3,49.855 cw(c-238.76,49.855) -238.76,52.395 S240.1@-235.527,52.395
NetD241_1: D241.1 S241.1 | length 9
  Component Side w0.203: S241.1@-248.862,53.065 -246.38,53.065 cw(c-246.38,50.525) -243.84,50.525 D241.1@-243.84,47.95
NetD242_1: D242.1 S242.1 | length 17.6
  Component Side w0.203: S242.1@-267.938,72.115 -256.921,72.115 cw(c-256.921,69.575) -254.381,69.575 D242.1@-254.381,67
NetD243_1: D243.1 S243.1 | length 41.6
  Component Side w0.203: D243.1@-43.688,28.9 -43.688,28.194 ccw(c-42.799,28.194) -42.799,27.305 -40.64,27.305 ccw(c-40.64,28.321) -39.624,28.321 cw(c-37.719,28.321) -37.719,30.226 -35.215,30.226 ccw(c-35.215,32.766) -33.419,30.97 v1(-32.657,31.732)
  Bottom Layer w0.203: v1(-32.657,31.732) -26.292,31.732 ccw(c-26.292,34.272) -24.496,32.476 S243.1@-24.206,32.765 -18.926,32.765 cw(c-18.925,32.562) -18.808,32.728 ccw(c-17.906,34.015) -17.004,32.728 ccw(c-17.906,34.015) -17.003,32.729 ccw(c-17.906,34.015) -16.629,33.1 cw(c-16.464,32.981) -16.607,33.125 -15.96,33.773 cw(c-14.603,32.416) -15.424,34.15 ; -14.603,34.335 ccw(c-14.681,32.765) -15.424,34.15 ; S243.1@-8.474,33.542 cw(c-9.631,34.015) -9.631,32.765 -12.918,32.765 cw(c-12.918,32.968) -13.12,32.945 ccw(c-14.681,32.765) -15.424,34.15
NetD244_1: D244.1 S244.1 | length 7.9
  Component Side w0.203: D244.1@-41.275,28.9 -41.275,30.225 cw(c-38.735,30.225) -38.735,32.765 S244.1@-36.11,32.765
NetD245_1: D245.1 S245.1 | length 9.1
  Component Side w0.203: D245.1@-61.468,28.9 -61.468,30.225 cw(c-58.928,30.225) -58.928,32.765 S245.1@-55.162,32.765
NetD246_1: D246.1 S246.1 | length 9.2
  Component Side w0.203: D246.1@-80.645,28.9 -80.645,30.225 cw(c-78.105,30.225) -78.105,32.765 S246.1@-74.212,32.765
NetD247_1: D247.1 S247.1 | length 6.9
  Component Side w0.203: D247.1@-97.409,28.9 -97.409,30.225 cw(c-94.869,30.225) -94.869,32.765 S247.1@-93.262,32.765
NetD248_1: D248.1 S248.1 | length 10.2
  Component Side w0.203: S248.1@-106.012,34.015 -102.362,34.015 cw(c-102.362,31.475) -99.822,31.475 D248.1@-99.822,28.9
NetD249_1: D249.1 S249.1 | length 8.1
  Component Side w0.203: D249.1@-136.652,28.9 -136.652,30.225 cw(c-134.112,30.225) -134.112,32.765 S249.1@-131.362,32.765
NetD250_1: D250.1 S250.1 | length 8.9
  Component Side w0.203: S250.1@-144.112,34.015 -141.732,34.015 cw(c-141.732,31.475) -139.192,31.475 D250.1@-139.192,28.9
NetD251_1: D251.1 S251.1 | length 9.2
  Component Side w0.254: D251.1@-175.895,28.9 -175.895,30.225 cw(c-173.355,30.225) -173.355,32.765 S251.1@-169.462,32.765
NetD252_1: D252.1 S252.1 | length 9.2
  Component Side w0.203: D252.1@-194.945,28.9 -194.945,30.225 cw(c-192.405,30.225) -192.405,32.765 S252.1@-188.512,32.765
NetD253_1: D253.1 S253.1 | length 9.2
  Component Side w0.203: D253.1@-213.995,28.9 -213.995,30.225 cw(c-211.455,30.225) -211.455,32.765 S253.1@-207.562,32.765
NetD254_1: D254.1 S254.1 | length 9.9
  Component Side w0.203: D254.1@-232.918,28.9 -232.918,30.225 cw(c-230.378,30.225) -230.378,32.765 S254.1@-226.612,32.765 ; S254.1@-226.597,32.75 S254.1@-226.002,33.345
NetD255_1: D255.1 S255.1 | length 7.4
  Component Side w0.203: S255.1@-272.7,34.015 -272.7,32.868 ccw(c-270.637,32.868) -270.637,30.805 cw(c-270.637,28.9) D255.1@-268.732,28.9
NetD256_1: D256.1 S256.1 | length 23.9
  Component Side w0.254: S256.1@-271.361,59.995 -271.361,54.775 cw(c-271.615,54.774) -271.409,54.626 ccw(c-270.111,53.695) -271.409,52.764 cw(c-271.615,52.616) -271.361,52.615 -271.361,48.039 ccw(c-271.272,48.039) D256.1@-271.272,47.95 ; S256.1@-266.599,59.995 -263.34,59.995 cw(c-263.34,57.455) -260.8,57.455 S256.1@-260.8,53.065
NetD257_1: D257.1 S257.1 | length 53.9
  Component Side w0.203: D257.1@-47.498,9.85 cw(c-47.498,7.945) -45.593,7.945 -45.593,3.556 ccw(c-43.307,3.556) -44.56,1.644 ccw(c-43.307,3.556) -43.307,1.27 -29.591,1.27 ccw(c-29.591,3.81) -27.051,3.81 -27.051,8.636 cw(c-24.511,8.636) -24.511,11.176 -13.303,11.176 ccw(c-13.303,13.716) -11.688,11.755 ccw(c-13.303,13.716) -10.763,13.716 S257.1@-10.763,14.965